# Altium PCB cyber60-smk-B2.PcbDoc (part 2 of 4)
Units mm, origin at the board's own origin, x right, y up, seen from the top; angles counter-clockwise.
Board outline 284.7 x 94.21 mm, 2 copper layers (Component Side, Bottom Layer), stack 1.571 mm thick; 221 components, 135 nets, 913 pads, 306 vias.
Unrouted connection lines stored in the file: 51.
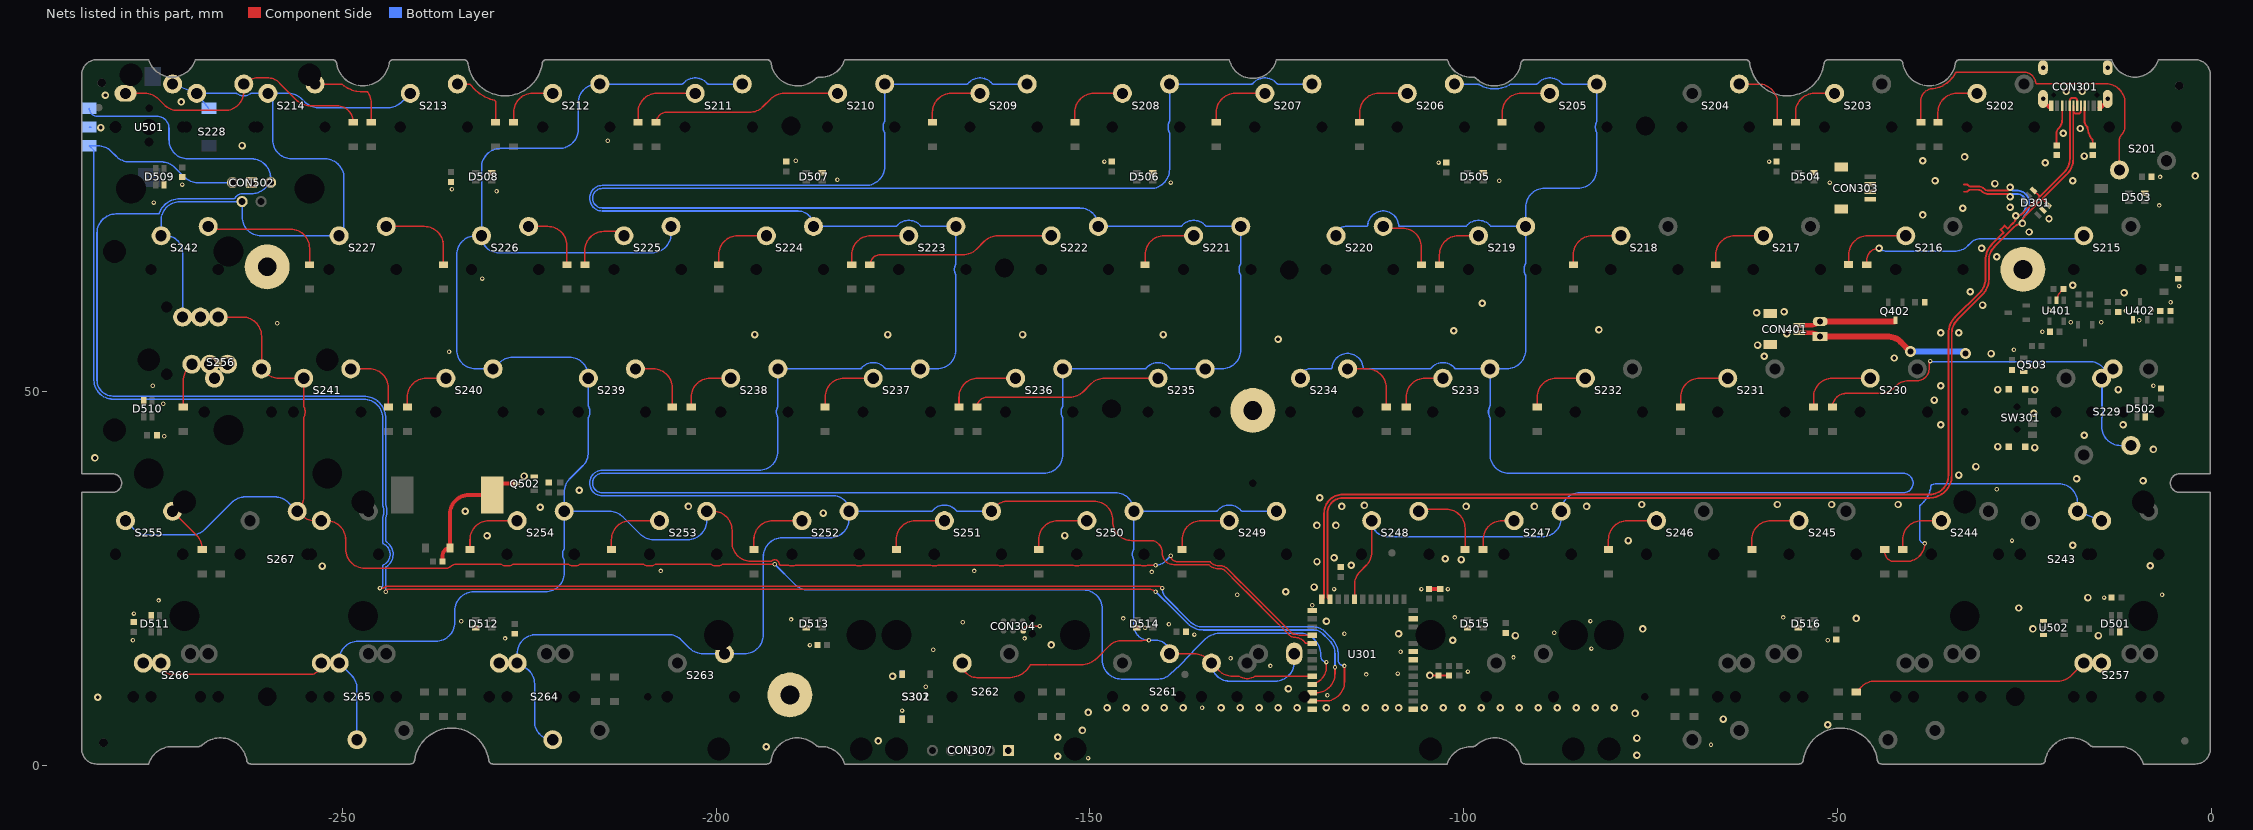
[diagram p2: the nets of this part, all layers, seen from the top]

## Via types
v1: diameter 1, hole 0.5, Component Side to Bottom Layer, tented both sides, 161 vias
v2: diameter 0.6, hole 0.3, Component Side to Bottom Layer, tented both sides, 139 vias
v3: diameter 1.5, hole 0.8, Component Side to Bottom Layer, tented both sides, 4 vias
v4: diameter 1.5, hole 0.75, Component Side to Bottom Layer, tented both sides, 2 vias

## Nets (pads, with @x,y where several pads share a name; then routed paths per layer and width w, separated by ;. In a path a pad name is that pad's centre, name@x,y a point inside that pad or via, vN(x,y) a via of type N, cw(c..) or ccw(c..) an arc to the next point about the centre after c; other vN are vias at no path point) (continued)
col3: S205.2 S206.2 S219.2 S220.2 S233.2 S234.2 S247.2 S248.2 U301.20 | length 288.7
  Component Side w0.203: U301.20@-114.6,22.25 -114.602,23.875 cw(c-114,23.876) -114.602,23.879 -114.6,24.173 ccw(c-114.803,24.175) -114.6,24.175 cw(c-112.06,24.175) -113.856,25.971 -113.03,26.797 ccw(c-114.763,28.53) -112.312,28.53 S248.2@-112.312,32.765
  Bottom Layer w0.203: S234.2@-121.837,51.815 cw(c-120.587,51.815) -120.587,53.065 -117.808,53.065 ccw(c-117.808,53.268) -117.606,53.25 cw(c-115.538,53.065) -113.469,53.25 ccw(c-113.267,53.268) -113.267,53.065 -104.544,53.065 ccw(c-104.544,53.268) -104.387,53.139 cw(c-102.787,51.815) -101.188,53.139 ccw(c-101.031,53.268) -101.031,53.065 S233.2@-96.488,53.065 ; S220.2@-117.075,70.865 cw(c-115.825,70.865) -115.825,72.115 -113.046,72.115 ccw(c-113.046,72.318) -112.843,72.3 cw(c-110.775,72.115) -108.707,72.3 ccw(c-108.504,72.318) -108.504,72.115 -99.781,72.115 ccw(c-99.781,72.318) -99.625,72.189 cw(c-98.025,70.865) -96.425,72.189 ccw(c-96.269,72.318) -96.269,72.115 S219.2@-91.725,72.115 ; S248.2@-112.312,32.765 ccw(c-110.154,32.765) -110.154,30.607 -89.502,30.607 ccw(c-89.502,33.147) -86.962,33.147 S247.2@-86.962,34.015 ; S206.2@-101.25,90.297 S206.2@-101.25,91.165 -98.112,91.165 cw(c-98.112,90.962) -97.995,91.128 -97.949,91.096 ; -97.949,91.096 ccw(c-97.716,91.429) -97.903,91.068 -97.481,90.85 ccw(c-97.294,91.211) -97.431,90.828 -96.984,90.668 ccw(c-96.847,91.051) -96.932,90.653 -96.468,90.554 ccw(c-96.383,90.952) -96.414,90.546 -95.94,90.51 ccw(c-95.909,90.915) -95.886,90.51 -95.412,90.537 ccw(c-95.435,90.943) -95.358,90.544 -94.892,90.634 ccw(c-94.969,91.033) -94.84,90.647 -94.39,90.799 ccw(c-94.519,91.184) -94.339,90.82 -93.914,91.03 ccw(c-94.093,91.394) -93.867,91.057 -93.757,91.13 cw(c-93.643,90.962) -93.643,91.165 -91.567,91.165 -90.256,91.165 ccw(c-90.256,91.368) -90.1,91.239 cw(c-88.5,89.915) -86.9,91.239 ccw(c-86.744,91.368) -86.744,91.165 S205.2@-82.2,91.165 ; S247.2@-86.487,34.015 S247.2@-86.962,34.015 ; S233.2@-96.488,53.065 -94.265,53.065 ccw(c-94.265,55.605) -91.725,55.605 -91.725,65.537 ccw(c-91.928,65.538) -91.749,65.634 cw(c-90.375,66.365) -91.749,67.096 ccw(c-91.928,67.192) -91.725,67.193 S219.2@-91.725,72.115 ; S233.2@-96.488,53.065 -96.488,48.143 cw(c-96.691,48.142) -96.511,48.046 ccw(c-95.137,47.315) -96.511,46.584 cw(c-96.691,46.488) -96.488,46.487 -96.488,41.636 ccw(c-93.948,41.636) -93.948,39.096 -42.545,39.096 -41.212,39.096 cw(c-41.212,37.79) -41.212,36.484 -84.494,36.484 ccw(c-84.494,34.015) S247.2@-86.962,34.015 ; S219.2@-91.725,72.115 -91.725,74.676 cw(c-89.185,74.676) -89.185,77.216 -84.74,77.216 ccw(c-84.74,79.756) -82.2,79.756 -82.2,84.587 ccw(c-82.403,84.588) -82.224,84.684 cw(c-80.85,85.415) -82.224,86.146 ccw(c-82.403,86.242) -82.2,86.243 S205.2@-82.2,91.165 ; S205.2@-83.333,91.165 ccw(c-83.333,89.281) -83.334,91.165 S205.2@-83.333,91.165 ; S205.2@-83.333,91.165 S205.2@-82.2,91.165
col4: S207.2 S208.2 S221.2 S222.2 S235.2 S236.2 S249.2 S250.2 S261.1 S262.2 U301.33 | length 498.2
  Component Side w0.203: S262.2@-167.081,13.715 ccw(c-165.147,13.715) -165.147,11.781 -160.938,11.781 cw(c-160.937,11.578) -160.928,11.781 ccw(c-160.781,14.965) -158.582,12.657 ccw(c-160.781,14.965) -157.955,13.491 -155.702,13.491 ; -155.604,13.491 -151.217,13.491 ccw(c-151.217,16.586) -149.029,14.397 -147.306,16.119 cw(c-145.903,14.716) -145.903,16.7 -143.313,16.7 ccw(c-143.313,19.195) -142.775,16.759 cw(c-142.731,16.561) -142.73,16.764 v2(-142.113,16.764) ; S261.1@-139.35,14.965 -136.045,14.965 cw(c-136.045,12.425) -134.249,14.221 S261.1@-133.743,13.715 -132.722,12.694 ccw(c-130.926,14.49) -130.926,11.95 -130.124,11.95 cw(c-130.123,11.747) -130.021,11.922 ccw(c-128.973,13.715) -127.926,11.922 cw(c-127.823,11.747) -127.822,11.95 U301.33@-120.25,11.95
  Bottom Layer w0.203: S261.1@-139.35,14.965 ccw(c-141.148,14.965) -141.148,16.764 v2(-142.113,16.764) cw(c-142.113,18.763) -144.112,18.763 -144.112,27.437 ccw(c-144.315,27.438) -144.136,27.534 cw(c-142.762,28.265) -144.136,28.996 ccw(c-144.315,29.092) -144.112,29.093 -144.112,33.434 cw(c-143.891,33.434) -143.891,33.655 -143.891,33.794 ccw(c-144.112,33.794) S250.2@-144.112,34.015 ; S261.1@-133.743,13.715 ccw(c-131.331,13.715) -131.331,11.303 -125.213,11.303 ccw(c-125.213,13.843) -122.673,13.843 S261.1@-122.673,14.965 ; S249.2@-125.062,34.015 -129.606,34.015 cw(c-129.606,34.218) -129.762,34.089 ccw(c-131.362,32.765) -132.962,34.089 cw(c-133.119,34.218) -133.119,34.015 S250.2@-144.112,34.015 ; S207.2@-120.3,91.165 -124.844,91.165 cw(c-124.844,91.368) -125,91.239 ccw(c-126.6,89.915) -128.2,91.239 cw(c-128.356,91.368) -128.356,91.165 S208.2@-139.35,91.165 -139.35,86.243 cw(c-139.553,86.242) -139.374,86.146 ccw(c-138,85.415) -139.374,84.684 cw(c-139.553,84.588) -139.35,84.587 -139.35,79.736 cw(c-141.89,79.736) -141.89,77.196 -215.212,77.196 ccw(c-215.212,75.89) -215.212,74.584 -151.344,74.584 cw(c-151.344,72.115) S222.2@-148.875,72.115 -137.881,72.115 ccw(c-137.881,72.318) -137.725,72.189 cw(c-136.125,70.865) -134.525,72.189 ccw(c-134.369,72.318) -134.369,72.115 S221.2@-129.825,72.115 -129.825,67.193 cw(c-130.028,67.192) -129.849,67.096 ccw(c-128.475,66.365) -129.849,65.634 cw(c-130.028,65.538) -129.825,65.537 -129.825,55.605 cw(c-132.365,55.605) -132.365,53.065 S235.2@-134.588,53.065 -139.131,53.065 cw(c-139.131,53.268) -139.288,53.139 ccw(c-140.887,51.815) -142.487,53.139 cw(c-142.644,53.268) -142.644,53.065 -153.404,53.065 ccw(c-153.404,52.832) -153.638,52.832 -153.638,48.143 cw(c-153.841,48.142) -153.661,48.046 ccw(c-152.287,47.315) -153.661,46.584 cw(c-153.841,46.488) -153.638,46.487 -153.638,41.636 cw(c-156.178,41.636) -156.178,39.096 -215.212,39.096 ccw(c-215.212,37.79) -215.212,36.484 -146.581,36.484 cw(c-146.581,34.015) S250.2@-144.112,34.015
col5: S209.2 S210.2 S223.2 S224.2 S237.2 S238.2 S251.2 S252.2 S263.2 S264.2 U301.29 | length 390.6
  Component Side w0.203: S251.2@-163.154,34.172 -162.694,34.632 cw(c-160.898,32.836) -160.898,35.376 -149.479,35.376 cw(c-149.479,32.836) -146.939,32.836 -146.939,32.639 ccw(c-144.399,32.639) -144.399,30.099 -141.907,30.099 cw(c-141.907,28.527) -140.335,28.527 -140.335,28.424 ccw(c-138.802,28.424) -138.802,26.891 -134.194,26.891 cw(c-134.193,26.688) -134.054,26.836 ccw(c-132.712,28.265) -132.539,26.313 ccw(c-132.578,26.918) -132.499,26.317 cw(c-132.473,26.115) -132.495,26.317 cw(c-132.495,25.533) -131.942,26.089 cw(c-132.495,25.533) -131.941,26.088 -130.016,24.162 ; -130.015,24.161 -128.428,22.575 -125.538,19.685 -123.856,18.003 -123.265,17.412 ccw(c-122.682,17.993) -122.788,17.177 ccw(c-122.682,17.993) -122.683,17.17 cw(c-122.673,15.365) -122.112,17.08 ; -122.102,17.077 cw(c-122.673,15.365) -121.218,16.433 ccw(c-121.055,16.553) -121.055,16.35 U301.29@-120.25,16.35
  Bottom Layer w0.203: S264.2@-221.849,3.465 cw(c-221.849,5.898) -224.282,5.898 -224.282,10.922 ccw(c-226.822,10.922) -226.822,13.462 -226.822,13.505 cw(c-226.612,13.505) S264.2@-226.612,13.715 -226.612,14.986 cw(c-224.072,14.986) -224.072,17.526 -206.411,17.526 cw(c-206.411,14.986) -204.615,16.782 -203.542,15.709 ccw(c-201.746,17.505) -201.746,14.965 S263.2@-198.881,14.965 -196.215,14.965 ccw(c-196.215,17.505) -193.675,17.505 -193.675,27.94 cw(c-191.135,27.94) -191.135,30.48 -184.752,30.48 ccw(c-184.752,33.02) -182.212,33.02 S252.2@-182.212,34.015 ; S251.2@-163.162,34.015 -167.706,34.015 cw(c-167.706,34.218) -167.862,34.089 ccw(c-169.462,32.765) -171.062,34.089 cw(c-171.219,34.218) -171.219,34.015 S252.2@-182.212,34.015 ; S209.2@-158.4,91.165 -162.944,91.165 cw(c-162.944,91.368) -163.1,91.239 ccw(c-164.7,89.915) -166.3,91.239 cw(c-166.456,91.368) -166.456,91.165 -176.911,91.165 ccw(c-175.61,89.864) -177.45,89.864 -177.45,86.243 cw(c-177.653,86.242) -177.474,86.146 ccw(c-176.1,85.415) -177.474,84.684 cw(c-177.653,84.588) -177.45,84.587 -177.45,80.14 cw(c-179.99,80.14) -179.99,77.6 -215.212,77.6 ccw(c-215.212,75.89) -215.212,74.18 -189.04,74.18 cw(c-189.04,72.115) S224.2@-186.975,72.115 -175.981,72.115 ccw(c-175.981,72.318) -175.825,72.189 cw(c-174.225,70.865) -172.625,72.189 ccw(c-172.469,72.318) -172.469,72.115 S223.2@-167.925,72.115 -167.925,67.193 cw(c-168.128,67.192) -167.949,67.096 ccw(c-166.575,66.365) -167.949,65.634 cw(c-168.128,65.538) -167.925,65.537 -167.925,55.605 cw(c-170.465,55.605) -170.465,53.065 S237.2@-172.688,53.065 -177.231,53.065 cw(c-177.231,53.268) -177.388,53.139 ccw(c-178.987,51.815) -180.587,53.139 cw(c-180.744,53.268) -180.744,53.065 S238.2@-191.738,53.065 -191.738,48.143 cw(c-191.941,48.142) -191.761,48.046 ccw(c-190.387,47.315) -191.761,46.584 cw(c-191.941,46.488) -191.738,46.487 -191.738,42.04 cw(c-194.278,42.04) -194.278,39.5 -215.212,39.5 ccw(c-215.212,37.79) -215.212,36.08 -184.277,36.08 cw(c-184.277,34.015) S252.2@-182.212,34.015
col6: S211.2 S212.2 S225.2 S226.2 S239.2 S240.2 S253.2 S254.2 S265.2 S266.2 U301.28 | length 333.2
  Component Side w0.203: S266.2@-274.237,13.715 ccw(c-272.714,13.715) -272.714,12.192 -254.323,12.192 ccw(c-254.323,13.715) S265.2@-252.8,13.715 ; S253.2@-201.262,34.015 -200.406,34.015 cw(c-200.406,31.475) -197.866,31.475 -197.866,29.871 ccw(c-195.326,29.871) -195.326,27.331 -194.564,27.331 -192.679,27.331 ccw(c-192.679,27.534) -192.546,27.381 cw(c-192.15,26.927) -191.551,26.974 ccw(c-192.15,26.927) -191.648,27.258 ; -191.55,26.973 ccw(c-191.348,26.99) -191.382,26.79 -190.391,26.79 cw(c-190.39,26.587) -190.329,26.78 ccw(c-189.862,28.265) -189.395,26.78 cw(c-189.334,26.587) -189.333,26.79 -181.389,26.79 cw(c-181.39,26.587) -181.329,26.78 ccw(c-180.862,28.265) -180.395,26.78 cw(c-180.334,26.587) -180.333,26.79 -171.34,26.79 cw(c-171.341,26.587) -171.28,26.78 ccw(c-170.812,28.265) -170.345,26.78 cw(c-170.284,26.587) -170.283,26.79 -162.342,26.79 cw(c-162.341,26.587) -162.34,26.79 cw(c-162.341,26.587) -162.28,26.78 ccw(c-161.812,28.265) -161.345,26.78 cw(c-161.284,26.587) -161.283,26.79 -156.718,26.79 -152.292,26.79 cw(c-152.291,26.587) -152.23,26.78 ccw(c-151.762,28.265) -151.295,26.78 cw(c-151.234,26.587) -151.233,26.79 -143.292,26.79 cw(c-143.291,26.587) -143.29,26.79 cw(c-143.291,26.587) -143.23,26.78 ccw(c-142.762,28.265) -142.295,26.78 cw(c-142.234,26.587) -142.233,26.79 v2@-141.47,26.79 ; v2(-139.192,28.067) ccw(c-138.42,28.067) -138.42,27.295 -134.024,27.295 cw(c-134.023,27.091) -133.872,27.227 ccw(c-132.712,28.265) -133.374,26.856 ccw(c-132.712,28.265) -132.569,26.715 ccw(c-132.578,26.918) -132.547,26.717 ccw(c-132.567,26.92) -132.543,26.718 ; -132.542,26.718 cw(c-132.495,26.317) -132.538,26.718 cw(c-132.495,26.317) -132.493,26.721 cw(c-132.495,25.533) -131.778,26.479 ccw(c-131.655,26.641) -131.739,26.456 -129.747,24.464 -129.73,24.447 -126.555,21.273 -124.46,19.177 -123.477,18.194 ccw(c-123.332,18.336) -123.476,18.193 -122.981,17.698 -122.978,17.695 ccw(c-122.682,17.993) -122.684,17.573 cw(c-122.673,15.365) -121.986,17.463 cw(c-122.112,17.08) -121.981,17.462 cw(c-122.102,17.077) -121.976,17.46 ccw(c-121.913,17.653) -121.913,17.45 -121.681,17.45 U301.28@-120.75,17.45
  Bottom Layer w0.203: S265.2@-248.038,3.465 -248.038,10.282 ccw(c-250.578,10.282) -248.782,12.078 S265.2@-250.419,13.715 -250.419,14.097 cw(c-247.879,14.097) -247.879,16.637 -237.49,16.637 ccw(c-237.49,19.177) -234.95,19.177 -234.95,20.701 cw(c-232.41,20.701) -232.41,23.241 -222.852,23.241 ccw(c-222.852,25.781) -220.962,24.084 ccw(c-222.852,25.781) -220.312,25.781 -220.312,27.437 ccw(c-220.515,27.438) -220.336,27.534 cw(c-218.962,28.265) -220.336,28.996 ccw(c-220.515,29.092) -220.312,29.093 S254.2@-220.312,34.015 ; S212.2@-215.901,91.165 ccw(c-215.9,88.625) -218.44,88.625 -218.44,85.09 cw(c-220.98,85.09) -220.98,82.55 -228.835,82.55 ccw(c-228.835,80.01) -231.375,80.01 S226.2@-231.375,70.865 ; S212.2@-215.9,91.165 S212.2@-215.55,91.165 -204.556,91.165 ccw(c-204.556,91.368) -204.4,91.239 cw(c-202.8,89.915) -201.2,91.239 ccw(c-201.044,91.368) -201.044,91.165 S211.2@-196.5,91.165 ; S225.2@-206.025,72.115 -206.025,71.12 cw(c-208.565,71.12) -206.888,69.212 cw(c-208.565,71.12) -208.565,68.58 -229.09,68.58 cw(c-229.09,70.865) -230.894,69.463 cw(c-229.09,70.865) S226.2@-231.375,70.865 ; S253.2@-201.262,34.015 -201.262,32.766 cw(c-203.802,32.766) -203.802,30.226 -208.371,30.226 cw(c-208.371,32.766) -210.167,30.97 -212.468,33.271 ccw(c-214.264,31.475) -214.264,34.015 S254.2@-220.312,34.015 ; v2(-141.224,26.797) ccw(c-141.224,28.637) -139.954,27.306 ccw(c-141.224,28.637) -139.923,27.336 v2(-139.192,28.067) ; S226.2@-231.375,70.865 -232.156,70.865 ccw(c-232.156,68.325) -234.696,68.325 -234.696,55.605 ccw(c-232.156,55.605) -232.156,53.065 S240.2@-229.838,53.065 -229.036,53.866 cw(c-227.24,52.07) -227.24,54.61 -219.627,54.61 cw(c-219.627,52.07) -217.087,52.07 S239.2@-217.087,51.815 -217.088,48.142 ccw(c-216.884,48.142) -217.064,48.046 cw(c-218.438,47.315) -217.064,46.584 ccw(c-216.884,46.488) -217.088,46.488 -217.087,41.902 cw(c-219.627,41.902) -217.831,40.106 -219.568,38.369 ccw(c-217.772,36.573) -220.312,36.573 S254.2@-220.312,34.015
col7: CON501.2 S213.2 S214.2 S227.2 S228.1 S241.2 S242.2 S255.2 S256.1 S267.2 U301.34 U501.2 | length 331.3
  Component Side w0.203: S256.1@-266.599,59.995 -263.34,59.995 cw(c-263.34,57.455) -260.8,57.455 S256.1@-260.8,53.065 -260.294,52.559 ccw(c-258.498,54.355) -258.498,51.815 S241.2@-255.162,51.815 -255.162,48.142 ccw(c-254.959,48.142) -255.138,48.046 cw(c-256.512,47.315) -255.138,46.584 ccw(c-254.959,46.488) -255.162,46.488 -255.162,35.935 cw(c-257.702,35.935) -255.906,34.139 S267.2@-256.03,34.015 -255.524,33.509 ccw(c-253.728,35.305) -253.728,32.765 S267.2@-252.805,32.765 -252.095,32.765 cw(c-252.095,30.225) -249.555,30.225 -249.555,28.956 ccw(c-247.015,28.956) -247.015,26.416 -236.071,26.416 ccw(c-236.071,27.283) -235.458,26.67 cw(c-234.837,26.049) -234.837,26.927 -228.813,26.927 cw(c-228.812,26.724) -228.714,26.902 ccw(c-227.962,28.265) -227.211,26.902 cw(c-227.113,26.724) -227.113,26.927 -219.812,26.927 cw(c-219.812,26.724) -219.714,26.902 ccw(c-218.962,28.265) -218.211,26.902 cw(c-218.113,26.724) -218.113,26.927 -209.762,26.927 cw(c-209.762,26.724) -209.664,26.902 ccw(c-208.912,28.265) -208.161,26.902 cw(c-208.063,26.724) -208.063,26.927 -200.762,26.927 cw(c-200.762,26.724) -200.664,26.902 ccw(c-199.912,28.265) -199.161,26.902 cw(c-199.063,26.724) -199.061,26.927 v2(-192.15,26.927) ; U301.34@-120.75,10.85 ccw(c-120.75,13.236) -118.872,11.764 ccw(c-120.75,13.236) -118.364,13.236 v2(-118.364,13.843)
  Bottom Layer w0.203: S255.2@-279,32.765 -277.84,31.605 ccw(c-276.044,33.401) -276.044,30.861 -270.165,30.861 ccw(c-270.165,33.401) -268.369,31.605 -264.777,35.197 cw(c-262.981,33.401) -262.981,35.941 -259.008,35.941 cw(c-259.008,33.401) -257.212,35.197 S267.2@-256.03,34.015 ; S242.2@-274.237,70.865 -274.237,72.898 cw(c-271.697,72.898) -271.697,75.438 CON501.2@-263.398,75.438 -263.398,73.405 ccw(c-260.858,73.405) -260.858,70.865 -249.775,70.865 -249.775,78.613 ccw(c-252.315,78.613) -252.315,81.153 -256.76,81.153 cw(c-256.76,83.693) -259.3,83.693 S214.2@-259.3,89.915 ; S242.2@-273.587,70.865 cw(c-273.587,68.639) -271.361,68.639 S256.1@-271.361,59.345 ; S228.1@-272.694,91.165 S228.1@-269.469,89.915 ; U501.2@-267.844,87.915 S228.1@-269.469,89.915 ; S213.2@-240.9,89.915 -242.06,88.755 cw(c-243.856,90.551) -243.856,88.011 -253.202,88.011 cw(c-253.202,90.551) -254.998,88.755 -255.414,89.171 ccw(c-257.21,87.375) -257.21,89.915 S214.2@-259.3,89.915 ; v2(-192.15,26.927) -189.462,24.239 ccw(c-187.666,26.035) -187.666,23.495 -150.876,23.495 cw(c-150.876,20.955) -148.336,20.955 -148.336,14.119 ccw(c-145.796,14.119) -145.796,11.579 -140.814,11.579 ccw(c-140.814,13.716) -139.303,12.206 cw(c-139.018,11.92) -139.288,12.219 -137.956,13.426 ccw(c-139.35,14.965) -137.838,13.541 -135.698,15.81 -134.752,16.757 cw(c-132.387,14.389) -132.387,17.736 -122.047,17.736 cw(c-122.047,14.792) -119.472,16.219 cw(c-122.047,14.792) -119.104,14.792 -119.104,14.605 ccw(c-117.361,14.605) -119.103,14.541 ccw(c-118.364,14.583) v2(-118.364,13.843) ; S228.1@-269.469,89.915 -264.189,89.915 cw(c-264.188,89.712) -264.071,89.878 ccw(c-263.169,91.165) -262.267,89.878 cw(c-262.15,89.712) -262.149,89.915 S214.2@-259.95,89.915 S214.2@-259.3,89.915
D_N: CON301.A7 CON301.B7 CON303.2 D301.3 U301.23 | length 171.2
  Component Side w0.254: U301.23@-117.9,22.25 cw(c-117.9,22.571) -118.221,22.571 -118.221,33.774 cw(c-116.181,33.774) -116.181,35.814 -37.719,35.814 ccw(c-37.719,38.811) -34.722,38.811 -34.722,57.825 cw(c-32.182,57.825) -33.978,59.621 -30.646,62.953 ccw(c-32.763,65.07) -29.769,65.07 -29.769,67.593 cw(c-27.229,67.593) -29.025,69.389 -26.337,72.076 cw(c-25.273,71.012) v1(-25.273,72.517) -25.273,72.765 cw(c-24.366,72.765) -25.008,73.405 ; -33.125,77.75 -32.842,77.75 cw(c-32.842,77.287) -32.514,77.614 -32.464,77.564 ccw(c-32.258,77.77) -32.258,77.479 -31.182,77.479 cw(c-31.182,76.39) -30.412,77.16 -30.411,77.158 ccw(c-29.818,77.751) -29.818,76.913 -27.354,76.913 ccw(c-27.354,77.343) v1(-26.924,77.343) ; -25.007,73.406 -22.6,75.813 ; D301.3@-21.975,75.134 -22.562,75.722 cw(c-22.471,75.813) -22.6,75.813 ; CON301.B7@-17.473,88.25 -17.473,87.525 cw(c-17.8,87.525) -17.8,87.198 -18.1,87.198 cw(c-18.1,87.525) -18.427,87.525 -18.427,88.144 ccw(c-18.681,88.144) CON301.A7@-18.45,88.25 ccw(c-18.45,88.229) -18.471,88.229 -18.471,81.182 cw(c-21.466,81.182) -19.347,79.066 cw(c-21.466,81.182) -19.348,79.065 -22.6,75.813
  Bottom Layer w0.254: v1(-26.924,77.343) ccw(c-26.518,77.343) -26.518,76.937 -26.06,76.937 cw(c-26.06,75.184) -24.308,75.184 cw(c-26.605,75.184) -24.981,73.56 ccw(c-24.274,72.854) -25.273,72.854 v1(-25.273,72.517)
D_P: CON301.A6 CON301.B6 CON303.3 D301.4 U301.24 | length 170.9
  Component Side w0.254: U301.24@-119,22.25 ccw(c-119,22.571) -118.679,22.571 -118.679,33.774 cw(c-116.181,33.774) -116.181,36.271 -37.719,36.271 ccw(c-37.719,38.811) -35.179,38.811 -35.179,57.826 cw(c-32.185,57.826) -35.179,57.83 cw(c-32.185,57.826) -34.302,59.944 -30.97,63.276 ccw(c-32.766,65.072) -30.226,65.072 -30.226,67.594 cw(c-27.232,67.594) -29.35,69.71 cw(c-27.232,67.594) -29.349,69.711 -27.877,71.183 -27.787,71.273 -28.199,71.685 -27.66,72.224 -27.248,71.812 -26.607,72.453 -26.479,72.581 ; -33.125,76.75 -32.842,76.75 ccw(c-32.842,77.213) -32.514,76.886 -32.464,76.936 cw(c-32.258,76.73) -32.258,77.021 -31.184,77.021 cw(c-31.184,76.385) -30.734,76.835 ccw(c-29.818,77.749) -29.818,76.455 -27.306,76.455 cw(c-27.306,76.073) v1(-26.924,76.073) ; -26.482,72.583 ccw(c-27.254,73.355) -26.162,73.355 v1(-26.162,73.533) ccw(c-26.162,75.066) -25.078,73.982 -22.987,76.073 ; D301.4@-23.672,76.831 -23.039,76.198 cw(c-23.164,76.073) -22.987,76.073 ; CON301.B6@-18.95,88.25 ccw(c-19.181,88.356) -18.927,88.357 -18.927,88.975 cw(c-18.6,88.975) -18.6,89.302 -18.3,89.302 cw(c-18.3,88.975) -17.973,88.975 -17.973,88.356 ccw(c-17.719,88.356) CON301.A6@-17.95,88.25 ; CON301.B6@-18.929,87.948 -18.929,81.184 cw(c-21.469,81.184) -19.673,79.387 -22.987,76.073
  Bottom Layer w0.254: v1(-26.924,76.073) cw(c-26.518,76.073) -26.518,76.479 -26.06,76.479 cw(c-26.06,75.184) -24.765,75.184 cw(c-26.605,75.184) -25.304,73.883 -25.4,73.787 cw(c-26.013,74.4) -26.013,73.533 v1(-26.162,73.533)
ENC_A: CON502.3 U301.36 U501.A | length 260.6
  Component Side w0.203: v2(-244.961,23.749) -244.576,23.749 ccw(c-244.576,23.952) -244.481,23.773 cw(c-244.199,23.241) -244.361,23.82 ccw(c-244.415,24.016) -244.294,23.853 cw(c-243.84,23.241) -243.84,24.003 -140.948,24.003 cw(c-140.948,23.136) v2(-140.335,23.749) ; U301.36@-120.25,8.65 -118.491,8.65 ccw(c-118.491,11.19) -115.951,11.19 v2(-115.951,13.335)
  Bottom Layer w0.203: CON502.3@-264.668,78.207 CON502.3@-264.668,77.978 -269.331,77.978 cw(c-269.331,80.518) -271.127,78.722 -272.408,80.003 ccw(c-274.204,78.207) -274.204,80.747 -278.444,80.747 cw(c-278.444,83.287) -280.24,81.491 -280.92,82.171 ccw(c-282.716,80.375) -282.716,82.915 U501.A@-283.844,82.915 -283.21,82.281 -283.21,52.832 -283.21,52.324 -283.21,51.562 ccw(c-280.67,51.562) -280.67,49.022 -247.142,49.022 cw(c-247.142,46.482) -244.602,46.482 -244.602,34.887 ccw(c-244.399,34.887) -244.587,34.809 cw(c-246.505,34.015) -244.587,33.221 ccw(c-244.399,33.143) -244.602,33.143 -244.602,29.854 ccw(c-244.399,29.854) -244.486,29.67 cw(c-245.155,28.265) -244.486,26.86 ccw(c-244.399,26.676) -244.602,26.676 -244.602,24.108 cw(c-244.961,24.108) v2(-244.961,23.749) ; v2(-140.335,23.749) ccw(c-138.495,23.749) -139.796,22.448 -136.634,19.286 ccw(c-134.838,21.082) -134.838,18.542 -120.073,18.542 cw(c-120.073,16.405) -118.65,17.999 cw(c-120.073,16.405) -118.561,17.915 -117.689,17.043 -117.679,17.033 cw(c-119.761,14.952) -116.833,15.254 ; -116.818,15.254 -116.818,14.202 ccw(c-115.951,14.202) v2(-115.951,13.335)
ENC_B: CON502.1 U301.35 U501.B | length 280.4
  Component Side w0.203: v2(-244.199,23.241) cw(c-243.84,23.241) -243.84,23.6 -142.083,23.6 cw(c-142.083,22.375) v2(-141.216,23.241) ; U301.35@-120.25,9.75 -119.761,9.75 ccw(c-119.761,12.29) -117.221,12.29 v2(-117.221,13.17)
  Bottom Layer w0.203: U501.B@-283.844,87.915 ccw(c-282.797,87.915) -282.797,86.868 -274.828,86.868 cw(c-274.828,85.217) -273.177,85.217 -273.177,83.69 ccw(c-270.637,83.69) -272.89,82.517 ccw(c-270.637,83.69) -270.637,81.15 -262.128,81.15 cw(c-262.128,78.61) -259.588,78.61 CON502.1@-259.588,77.978 -260.309,77.257 cw(c-262.105,79.053) -261.521,76.581 cw(c-262.105,79.053) -262.105,76.513 -263.333,76.513 cw(c-263.428,76.692) -263.423,76.489 ccw(c-263.398,75.438) -264.319,75.946 cw(c-264.497,76.044) -264.497,75.841 -269.367,75.841 -271.697,75.841 ccw(c-271.697,72.898) -273.822,74.935 ccw(c-271.697,72.898) -274.457,73.921 cw(c-274.648,73.992) -274.635,73.789 cw(c-274.701,74.803) -274.701,73.787 -280.267,73.787 ccw(c-280.267,71.247) -282.807,71.247 -282.807,69.596 -282.807,55.88 -282.807,51.562 ccw(c-280.67,51.562) -282.236,50.108 ccw(c-280.67,51.562) -280.67,49.425 -247.142,49.425 cw(c-247.142,46.482) -245.509,48.931 ; -245.509,48.931 cw(c-247.142,46.482) -244.287,47.196 cw(c-247.142,46.482) -244.199,46.482 -244.199,34.964 ccw(c-243.996,34.964) -244.186,34.892 cw(c-246.505,34.015) -244.186,33.138 ccw(c-243.996,33.066) -244.199,33.066 -244.199,30.148 ccw(c-243.996,30.148) -244.155,30.022 ccw(c-242.545,31.302) -243.999,29.848 cw(c-245.155,28.265) -244.105,26.611 ; v2(-244.199,23.241) -244.199,24.08 cw(c-243.996,24.08) -244.199,24.086 ccw(c-244.961,24.108) -244.199,24.108 -244.199,26.439 cw(c-243.996,26.439) -244.105,26.611 ; v2(-141.216,23.241) cw(c-141.216,23.103) -141.119,23.201 -138.525,20.606 -136.915,18.997 ccw(c-134.838,21.082) -134.838,18.139 -120.073,18.139 cw(c-120.073,16.405) -118.847,17.631 -118.077,16.861 -117.965,16.748 cw(c-119.761,14.952) -117.964,16.747 cw(c-119.761,14.952) -117.221,14.952 v2(-117.221,13.17)
GND: C301.1 C302.1 C303.1 C307.1 C402.1 C403.1 C404.1 C406.1 C501.1 C502.1 C503.1 C504.1 C505.1 C506.1 C507.1 C508.1 C509.1 C510.1 C511.1 C512.1 C513.1 C514.1 C515.1 C516.1 CON301.A1B12 CON301.B1A12 CON301.S1 CON303.4 CON303.5 CON304.5 CON307.1 CON401.2 CON401.3 CON402.2 CON502.2 D301.2 D501.3 D502.3 D503.3 D504.3 D505.3 D506.3 D507.3 D508.3 D509.3 D510.3 D511.3 D512.3 D513.3 D514.3 D515.3 D516.3 pad.@-25.2,66.365 pad.@-128.212,47.5 pad.@-190.119,9.45 pad.@-260.05,66.715 Q502.2 Q503.2 R301.2 R302.2 R307.2 R402.2 R403.2 R404.2 R511.2 R515.2 S301.1 S302.2 SW301.M U301.1 U301.25 U301.37 U401.2 U402.1 U501.C U502.1 U502.3 | length 35
  Component Side w0.203: CON304.5@-158.924,18.034 cw(c-158.289,18.034) -158.289,18.669 v2(-156.718,18.669) ; U401.2@-20.701,62.216 -20.614,62.303 cw(c-19.084,62.303) -20.528,62.811 cw(c-19.084,62.303) -20.318,63.208 cw(c-19.084,62.303) -20.166,63.385 C406.1@-19.797,63.754
  Component Side w0.254: v1(-104.521,12.065) -101.996,12.065 R307.2@-101.981,12.05
  Component Side w0.508: C301.1@-104.648,23.637 C302.1@-103.124,23.637 ; CON301.S1@-22.52,88.915 -21.715,88.11 ccw(c-21.45,88.374) CON301.B1A12@-21.45,88 ; CON301.A1B12@-14.95,88 ccw(c-14.95,88.374) -14.685,88.11 CON301.S1@-13.88,88.915
  Component Side w0.6: CON401.2@-55.118,57.896 -53.512,57.896 cw(c-53.512,56.216) CON402.2@-52.324,57.404
  Component Side w0.8: CON402.2@-52.324,57.404 -43.343,57.404 cw(c-43.343,54.864) -41.547,56.66 v3(-40.259,55.372)
  Bottom Layer w0.203: U501.C@-283.844,85.415 U501.C@-283.594,85.415 ; CON502.2@-262.128,77.978 CON502.2@-262.128,78.156
  Bottom Layer w0.8: v3(-40.259,55.372) -33.147,55.372 v3(-32.893,55.118)
  other v1: -154.305,1.27 -76.835,1.397 -193.3,2.539 -178.308,3.302 -76.835,3.683 -154.305,3.81 -151,4.7 -51.308,5.461 -65.278,6.223 -77.089,6.985 -150.241,7.112 -147.701,7.747 -145.161,7.747 -142.621,7.747 -140.081,7.747 -137.541,7.747 -132.461,7.747 -129.921,7.747 -127.381,7.747 -124.841,7.747 -122.301,7.747 -118.364,7.747 -115.697,7.747 -113.157,7.747 -110.49,7.747 -108.712,7.747 -105.283,7.747 -102.743,7.747 -100.203,7.747 -97.663,7.747 -95.123,7.747 -92.583,7.747 -90.043,7.747 -87.503,7.747 -84.963,7.747 -82.423,7.747 -79.883,7.747 -282.708,9.143 -123.444,10.287 -176.403,11.938 -155.157,16.144 -101.473,16.764 -93.091,17.399 -15.113,17.399 -108.712,17.653 -76.073,18.288 -23.876,18.288 -118.364,19.304 -47.498,19.685 -25.781,21.082 -16.51,22.479 -123.825,23.241 -120.015,23.876 -252.683,26.691 -8.176,26.721 -115.062,26.797 -119.629,27.296 -100.33,27.559 -102.489,27.686 -117.348,27.813 -18.542,29.464 -77.983,30.108 -230.632,30.734 -153.379,30.771 -119.634,32.131 -117.094,32.131 -185.674,33.782 -233.553,34.036 -223.52,34.544 -203.708,34.671 -116.332,34.671 -99.695,34.671 -90.551,34.671 -83.566,34.671 -113.289,34.807 -76.2,34.925 -58.039,34.925 -50.8,34.925 -41.91,34.925 -119.253,35.814 -218.313,36.83 -9.144,38.1 -18.034,38.354 -225.679,38.735 -33.782,38.862 -31.496,40.005 -283.083,41.148 -7.747,42.291 -23.622,42.545 -28.575,42.672 -17.018,44.196 -36.195,45.593 -11.811,45.593 -23.749,47.117 -37.084,48.895 -28.575,50.292 -23.622,50.292 -12.446,50.292 -36.195,50.8 -42.406,54.519 -59.817,54.737 -29.464,55.118 -60.706,56.245 -124.841,57.023 -194.818,57.658 -177.038,57.658 -159.004,57.658 -140.208,57.658 -56.769,57.769 -36.195,57.912 -33.782,57.912 -101.346,58.166 -81.915,58.293 -60.833,60.563 -57.15,60.706 -30.607,61.595 -97.536,61.849 -11.684,63.246 -32.258,63.373 -18.542,64.262 -28.702,68.072 -30.734,69.215 -24.384,71.374 -21.722,73.161 -38.608,73.66 -33.274,74.549 -26.924,74.676 -28.956,77.851 -36.957,78.232 -18.542,78.232 -2.159,78.867 -22.225,80.645 -38.608,80.899 -33.02,81.407 -17.018,81.534 -263.398,82.931 -19.812,84.582 -17.526,85.217 -282.321,85.344 -271.526,88.773 -281.686,89.662 -19.431,90.17 -17.272,90.17
  other v2: -150.241,1.016 -66.929,2.794 -175.133,7.366 -135.001,7.747 -118.237,9.398 -171.958,10.541 -113.03,12.192 -108.839,12.319 -99.441,12.573 -125.857,13.335 -131.191,14.351 -93.345,14.478 -108.458,15.24 -170.942,15.494 -82.921,15.649 -187.452,16.129 -278.003,16.764 -51.308,16.764 -228.219,17.018 -158.75,17.018 -136.017,17.526 -115.951,17.653 -87.884,17.78 -142.621,18.415 -139.431,18.923 -167.005,19.177 -234.076,19.304 -83.048,19.332 -189.977,19.558 -145.542,19.685 -101.219,19.812 -57.277,19.812 -277.869,20.337 -120.269,21.463 -274.574,22.098 -14.351,22.479 -130.302,22.86 -6.604,22.86 -117.348,23.622 -105.664,23.622 -102.108,23.622 -141.732,25.908 -207.391,26.035 -165.481,26.035 -26.67,30.099 -28.702,36.957 -273.812,44.069 -273.939,48.387 -275.336,50.8 -7.747,50.8 -24.13,53.34 -235.712,55.372 -26.416,55.626 -22.606,58.039 -258.699,59.182 -18.796,59.309 -14.732,59.309 -9.652,59.563 -11.43,60.833 -8.001,60.96 -21.707,60.988 -5.461,61.976 -4.318,64.135 -231.267,65.151 -6.985,74.93 -275.209,75.311 -229.362,76.835 -235.331,77.089 -271.399,77.724 -139.192,77.978 -51.054,77.978 -95.265,78.232 -183.769,78.374 -6.858,78.74 -103.363,80.66 -148.067,80.787 -59.167,80.787 -189.357,80.899 -214.503,83.566
LED1: U301.12
LED2: U301.8
LED3: U301.7
NetBZ501_2: BZ501.2 D517.1 Q502.3 R509.2 | length 18.7
  Component Side w0.508: R509.2@-236.586,27.305 -236.586,28.098 cw(c-235.601,28.098) D517.1@-235.601,29.083 -235.601,33.655 cw(c-233.061,33.655) -233.061,36.195 BZ501.2@-229.966,36.195 -229.966,36.648 -229.966,37.719 Q502.3@-226.752,37.719
NetCON301_A5: CON301.A5 R302.1 | length 5.3
  Component Side w0.254: CON301.A5@-16.95,88 -16.977,86.25 ccw(c-15.9,86.233) -16.641,85.451 -16.638,85.449 cw(c-16.813,85.264) -16.56,85.292 ccw(c-13.462,85.634) -16.549,85.205 ccw(c-13.462,85.634) -16.549,85.203 ccw(c-13.462,85.634) -16.522,85.038 ccw(c-13.462,85.634) -16.342,84.441 ccw(c-13.462,85.634) -15.928,83.728 cw(c-16.129,83.572) -15.875,83.571 R302.1@-15.875,82.946
NetCON301_B5: CON301.B5 R301.1 | length 5.3
  Component Side w0.254: R301.1@-20.701,82.946 -20.701,84.582 -20.701,84.634 cw(c-19.917,84.634) -20.471,85.188 ccw(c-21.73,86.447) -19.95,86.447 CON301.B5@-19.95,88
NetCON401_1: CON401.1 CON402.1 Q402.3 | length 12.8
  Component Side w0.6: CON401.1@-55.118,58.896 -53.55,58.896 ccw(c-53.55,60.63) CON402.1@-52.324,59.404
  Component Side w0.8: CON402.1@-52.324,59.404 Q402.3@-42.418,59.404
NetD201_1: D201.1 S201.2 | length 43.4
  Component Side w0.203: D201.1@-38.862,86.05 -38.862,88.895 cw(c-37.202,88.895) -37.579,90.512 cw(c-37.534,90.314) -37.535,90.517 cw(c-37.534,90.314) -37.533,90.517 -37.503,90.517 ccw(c-37.503,90.924) -37.447,90.521 -37.202,90.556 -36.957,90.59 ccw(c-37.013,90.992) -36.901,90.602 -36.425,90.738 ccw(c-36.537,91.129) -36.372,90.757 -35.92,90.958 ccw(c-36.085,91.33) -35.87,90.985 -35.449,91.247 ccw(c-35.664,91.592) -35.404,91.28 -35.024,91.598 ccw(c-35.285,91.909) -34.983,91.637 -34.651,92.004 ccw(c-34.953,92.277) -34.616,92.049 -34.339,92.459 ccw(c-34.675,92.687) -34.31,92.508 -34.255,92.622 cw(c-34.072,92.532) -34.072,92.735 -25.116,92.735 ccw(c-25.116,92.939) -25.108,92.736 cw(c-25.05,91.165) -24.988,92.735 cw(c-25.05,91.165) -23.491,91.364 ccw(c-23.289,91.389) -23.289,91.186 -18.67,91.186 ; -18.669,91.186 -14.097,91.186 cw(c-14.097,88.646) -11.557,88.646 -11.557,85.554 cw(c-13.291,85.554) -12.065,84.328 ccw(c-11.498,83.761) -12.3,83.761 S201.2@-12.3,79.665
NetD202_1: D202.1 S202.1 | length 8.7
  Component Side w0.203: D202.1@-36.576,86.05 -36.576,87.375 cw(c-34.036,87.375) -34.036,89.915 S202.1@-30.7,89.915
NetD203_1: D203.1 S203.1 | length 8.7
  Component Side w0.203: D203.1@-55.626,86.05 -55.626,87.375 cw(c-53.086,87.375) -53.086,89.915 S203.1@-49.75,89.915
NetD204_1: D204.1 S204.1 | length 9.1
  Component Side w0.203: S204.1@-63.15,91.165 -60.579,91.165 cw(c-60.579,88.625) -58.039,88.625 D204.1@-58.039,86.05
NetD205_1: D205.1 S205.1 | length 9.8
  Component Side w0.203: D205.1@-94.869,86.05 -94.869,87.375 cw(c-92.329,87.375) -92.329,89.915 S205.1@-87.85,89.915
NetD206_1: D206.1 S206.1 | length 9.8
  Component Side w0.203: D206.1@-113.919,86.05 -113.919,87.375 cw(c-111.379,87.375) -111.379,89.915 S206.1@-106.9,89.915
NetD207_1: D207.1 S207.1 | length 9.9
  Component Side w0.203: D207.1@-133.096,86.05 -133.096,87.375 cw(c-130.556,87.375) -130.556,89.915 S207.1@-125.95,89.915
NetD208_1: D208.1 S208.1 | length 9.8
  Component Side w0.203: D208.1@-152.019,86.05 -152.019,87.375 cw(c-149.479,87.375) -149.479,89.915 S208.1@-145,89.915
NetD209_1: D209.1 S209.1 | length 9.8
  Component Side w0.203: D209.1@-171.069,86.05 -171.069,87.375 cw(c-168.529,87.375) -168.529,89.915 S209.1@-164.05,89.915
NetD210_1: D210.1 S210.1 | length 26.5
  Component Side w0.203: D210.1@-207.963,86.05 cw(c-206.637,86.05) -206.637,87.376 -195.553,87.376 ccw(c-195.553,89.916) -193.757,88.12 -192.705,89.171 cw(c-190.909,87.375) -190.909,89.915 S210.1@-183.1,89.915
NetD211_1: D211.1 S211.1 | length 11.2
  Component Side w0.203: D211.1@-210.439,85.963 D211.1@-210.439,86.05 -210.439,87.375 cw(c-207.899,87.375) -207.899,89.915 S211.1@-202.15,89.915
NetD212_1: D212.1 S212.1 | length 8.7
  Component Side w0.203: D212.1@-227.076,86.05 -227.076,87.375 cw(c-224.536,87.375) -224.536,89.915 S212.1@-221.2,89.915
NetD213_1: D213.1 S213.1 | length 8.7
  Component Side w0.203: S213.1@-234.6,91.165 -233.025,91.165 cw(c-233.024,90.962) -232.863,91.085 ccw(c-232.22,91.577) -232.828,91.043 -232.36,90.509 ccw(c-231.751,91.044) -232.278,90.429 -231.739,89.967 ccw(c-231.212,90.582) -231.647,89.899 -231.046,89.516 ccw(c-230.613,90.2) -230.946,89.463 -230.298,89.169 ccw(c-229.965,89.907) -230.193,89.131 -229.641,88.97 cw(c-229.697,88.774) -229.494,88.787 cw(c-232.029,88.625) -229.489,88.625 D213.1@-229.489,86.05
NetD214_1: D214.1 S214.1 | length 11.5
  Component Side w0.203: S214.1@-253.65,91.165 -250.161,91.165 cw(c-250.161,90.962) -250.03,91.117 -249.854,90.97 ccw(c-249.336,91.592) -249.764,90.905 -249.344,90.643 ccw(c-248.915,91.33) -249.244,90.59 -248.79,90.388 ccw(c-248.463,91.129) -248.686,90.35 -248.208,90.214 ccw(c-247.987,90.992) -248.099,90.191 -247.608,90.122 ccw(c-247.497,90.924) -247.497,90.114 -247.001,90.114 ccw(c-247.001,90.924) -246.89,90.122 -246.762,90.14 cw(c-246.733,89.939) -246.565,90.052 cw(c-248.666,88.625) -246.126,88.625 D214.1@-246.126,86.05
NetD215_1: D215.1 S215.2 | length 31.3
  Component Side w0.203: D215.1@-46.101,67 -46.101,67.564 cw(c-44.45,67.564) v1(-44.45,69.215)
  Bottom Layer w0.203: v1(-44.45,69.215) ccw(c-43.421,70.244) -43.421,68.789 -34.371,68.789 ccw(c-34.371,71.329) -32.575,69.533 -32.131,69.977 cw(c-30.905,68.751) -30.905,70.485 -17.98,70.485 ccw(c-17.98,71.782) S215.2@-17.062,70.865
NetD216_1: D216.1 S216.1 | length 11
  Component Side w0.203: D216.1@-48.514,67.04 -48.514,68.325 cw(c-45.974,68.325) -45.974,70.865 S216.1@-40.225,70.865
NetD217_1: D217.1 S217.1 | length 9.8
  Component Side w0.203: D217.1@-66.294,67 -66.294,68.325 cw(c-63.754,68.325) -63.754,70.865 S217.1@-59.275,70.865
NetD218_1: D218.1 S218.1 | length 9.8
  Component Side w0.203: D218.1@-85.344,67 -85.344,68.325 cw(c-82.804,68.325) -82.804,70.865 S218.1@-78.325,70.865
NetD219_1: D219.1 S219.1 | length 8.7
  Component Side w0.203: D219.1@-103.251,67 -103.251,68.325 cw(c-100.711,68.325) -100.711,70.865 S219.1@-97.375,70.865
NetD220_1: D220.1 S220.1 | length 9.7
  Component Side w0.203: S220.1@-111.125,71.882 -108.204,71.882 cw(c-108.204,69.342) -105.664,69.342 D220.1@-105.664,67
  Component Side w0.254: S220.1@-111.125,71.882 cw(c-110.892,71.882) -110.892,72.115 S220.1@-110.775,72.115
NetD221_1: D221.1 S221.1 | length 9.9
  Component Side w0.203: D221.1@-142.621,67 -142.621,68.325 cw(c-140.081,68.325) -140.081,70.865 S221.1@-135.475,70.865
NetD222_1: D222.1 S222.1 | length 26.5
  Component Side w0.203: D222.1@-179.387,67 cw(c-178.062,67) -178.062,68.326 -166.978,68.326 ccw(c-166.978,70.866) -165.182,69.07 -164.13,70.121 cw(c-162.334,68.325) -162.334,70.865 S222.1@-154.525,70.865
NetD223_1: D223.1 S223.1 | length 11.1
  Component Side w0.203: D223.1@-181.864,67 -181.864,68.325 cw(c-179.324,68.325) -179.324,70.865 S223.1@-173.575,70.865
NetD224_1: D224.1 S224.1 | length 9.8
  Component Side w0.203: D224.1@-199.644,67 -199.644,68.325 cw(c-197.104,68.325) -197.104,70.865 S224.1@-192.625,70.865
NetD225_1: D225.1 S225.1 | length 9.2
  Component Side w0.203: D225.1@-217.551,67 -217.551,68.905 cw(c-215.011,68.905) -215.011,71.445 S225.1@-211.715,71.445
NetD226_1: D226.1 S226.1 | length 9.1
  Component Side w0.203: S226.1@-225.075,72.115 -222.504,72.115 cw(c-222.504,69.575) -219.964,69.575 D226.1@-219.964,67
NetD227_1: D227.1 S227.1 | length 11.7
  Component Side w0.203: S227.1@-244.125,72.115 -239.014,72.115 cw(c-239.014,69.575) -236.474,69.575 D227.1@-236.474,67
NetD228_1: D228.1 S228.2 | length 36.5
  Component Side w0.203: S228.2@-278.994,89.915 -276.387,89.915 cw(c-276.387,87.375) -274.591,89.171 -273.794,88.374 ccw(c-271.998,90.17) -271.998,87.63 -265.709,87.63 ccw(c-265.709,90.17) -263.169,90.17 S228.2@-263.169,91.165 -263.089,91.245 cw(c-261.293,89.448) -261.293,91.988 -259.84,91.988 cw(c-259.95,89.915) -258.307,91.185 -256.131,89.009 ccw(c-254.335,90.805) -254.335,88.265 -250.754,88.265 cw(c-250.754,86.05) D228.1@-248.539,86.05
NetD229_1: D229.1 S229.2 | length 59
  Component Side w0.203: D229.1@-50.673,47.95 cw(c-48.839,47.95) -48.839,49.784 -44.232,49.784 ccw(c-44.232,52.324) -42.436,50.528 -42.164,50.8 cw(c-40.489,49.125) -40.489,51.494 -39.378,51.494 ccw(c-39.338,53.065) -38.582,51.687 ccw(c-39.338,53.065) -37.766,53.045 ccw(c-39.338,53.065) -37.766,53.085 -37.766,53.682 cw(c-37.172,53.682) v2(-37.592,54.102)
  Bottom Layer w0.203: v2(-37.592,54.102) ccw(c-37.539,54.102) -37.539,54.049 -34.29,54.049 -22.733,54.049 -16.334,54.049 cw(c-16.334,51.509) -13.794,51.509 S229.2@-13.794,51.315 ; -14.59,46.727 cw(c-16.031,47.315) -14.657,46.584 ccw(c-14.478,46.488) -14.681,46.488 -14.681,45.355 ccw(c-12.141,45.355) -12.141,42.815 S229.2@-10.763,42.815 ; -14.59,47.904 ccw(c-14.402,47.979) -14.59,47.902 ; -14.59,47.904 cw(c-14.402,47.979) -14.605,47.979 -14.605,51.739 ccw(c-14.681,51.739) S229.2@-14.681,51.815 -14.681,48.142 ccw(c-14.478,48.142) -14.657,48.046 cw(c-16.031,47.315) -14.59,47.904 ; -14.59,47.904 cw(c-16.031,47.315) -14.59,47.902 ; -14.59,47.902 cw(c-16.031,47.315) -14.59,46.728 ccw(c-16.031,47.315) -14.59,47.902
NetD230_1: D230.1 S230.1 | length 11
  Component Side w0.203: D230.1@-53.213,47.95 -53.213,49.275 cw(c-50.673,49.275) -50.673,51.815 S230.1@-44.987,51.815
NetD231_1: D231.1 S231.1 | length 9.7
  Component Side w0.203: D231.1@-70.993,47.95 -70.993,49.275 cw(c-68.453,49.275) -68.453,51.815 S231.1@-64.037,51.815
NetD232_1: D232.1 S232.1 | length 9.9
  Component Side w0.203: D232.1@-90.17,47.95 -90.17,49.275 cw(c-87.63,49.275) -87.63,51.815 S232.1@-83.087,51.815
NetD233_1: D233.1 S233.1 | length 8.3
  Component Side w0.203: D233.1@-107.696,47.95 -107.696,49.275 cw(c-105.156,49.275) -105.156,51.815 S233.1@-102.137,51.815
NetD234_1: D234.1 S234.1 | length 9.2
  Component Side w0.203: S234.1@-115.538,53.065 -112.903,53.065 cw(c-112.903,50.525) -110.363,50.525 D234.1@-110.363,47.95
NetD235_1: D235.1 S235.1 | length 26.5
  Component Side w0.203: D235.1@-165.1,47.95 cw(c-163.774,47.95) -163.774,49.276 -152.69,49.276 ccw(c-152.69,51.816) -150.894,50.02 -149.843,51.071 cw(c-148.047,49.275) -148.047,51.815 S235.1@-140.237,51.815
NetD236_1: D236.1 S236.1 | length 11
  Component Side w0.203: D236.1@-167.513,47.95 -167.513,49.275 cw(c-164.973,49.275) -164.973,51.815 S236.1@-159.287,51.815
NetD237_1: D237.1 S237.1 | length 9.9
  Component Side w0.203: D237.1@-185.42,47.95 -185.42,49.275 cw(c-182.88,49.275) -182.88,51.815 S237.1@-178.337,51.815
NetD238_1: D238.1 S238.1 | length 8.7
  Component Side w0.203: D238.1@-203.327,47.95 -203.327,49.275 cw(c-200.787,49.275) -200.787,51.815 S238.1@-197.387,51.815
NetD239_1: D239.1 S239.1 | length 8.9
  Component Side w0.203: S239.1@-210.788,53.065 -208.407,53.065 cw(c-208.407,50.525) -205.867,50.525 D239.1@-205.867,47.95
NetD240_1: D240.1 S240.1 | length 8.6
  Component Side w0.203: D240.1@-241.3,47.95 -241.3,49.275 cw(c-238.76,49.275) -238.76,51.815 S240.1@-235.487,51.815
NetD241_1: D241.1 S241.1 | length 9
  Component Side w0.203: S241.1@-248.862,53.065 -246.38,53.065 cw(c-246.38,50.525) -243.84,50.525 D241.1@-243.84,47.95
NetD242_1: D242.1 S242.1 | length 16.9
  Component Side w0.203: S242.1@-267.589,71.755 -256.921,71.755 cw(c-256.921,69.215) -254.381,69.215 D242.1@-254.381,67
NetD243_1: D243.1 S243.2 | length 42.1
  Component Side w0.203: D243.1@-43.688,28.9 -43.688,28.575 ccw(c-42.418,28.575) -42.418,27.305 -40.767,27.305 ccw(c-40.767,29.718) v2(-38.354,29.718)
  Bottom Layer w0.203: v2(-38.354,29.718) cw(c-38.354,30.391) -39.027,30.391 -39.027,33.401 -39.027,34.036 -39.027,34.67 cw(c-38.824,34.67) -38.948,34.832 ccw(c-41.212,37.79) -37.508,37.389 cw(c-37.306,37.368) -37.376,37.558 cw(c-36.487,35.179) -36.487,37.719 -20.446,37.719 cw(c-20.446,35.179) -17.906,35.179 S243.2@-17.906,34.015 S243.2@-14.681,32.765
NetD244_1: D244.1 S244.1 | length 8.6
  Component Side w0.203: D244.1@-41.275,28.9 -41.275,30.225 cw(c-38.735,30.225) -38.735,32.765 S244.1@-35.46,32.765
NetD245_1: D245.1 S245.1 | length 9.7
  Component Side w0.203: D245.1@-61.468,28.9 -61.468,30.225 cw(c-58.928,30.225) -58.928,32.765 S245.1@-54.512,32.765
NetD246_1: D246.1 S246.1 | length 9.9
  Component Side w0.203: D246.1@-80.645,28.9 -80.645,30.225 cw(c-78.105,30.225) -78.105,32.765 S246.1@-73.562,32.765
NetD247_1: D247.1 S247.1 | length 7.6
  Component Side w0.203: D247.1@-97.409,28.9 -97.409,30.225 cw(c-94.869,30.225) -94.869,32.765 S247.1@-92.612,32.765
NetD248_1: D248.1 S248.1 | length 10.8
  Component Side w0.203: S248.1@-106.012,34.015 cw(c-106.012,34.048) -106.045,34.048 -106.045,34.29 -102.362,34.29 cw(c-102.362,31.75) -99.822,31.75 D248.1@-99.822,28.9
NetD249_1: D249.1 S249.1 | length 9.7
  Component Side w0.203: D249.1@-137.668,28.9 -137.668,30.225 cw(c-135.128,30.225) -135.128,32.765 S249.1@-130.712,32.765
NetD250_1: D250.1 S250.1 | length 9.9
  Component Side w0.203: D250.1@-156.845,28.9 -156.845,30.225 cw(c-154.305,30.225) -154.305,32.765 S250.1@-149.762,32.765
NetD251_1: D251.1 S251.1 | length 9.9
  Component Side w0.203: D251.1@-175.895,28.9 -175.895,30.225 cw(c-173.355,30.225) -173.355,32.765 S251.1@-168.812,32.765
NetD252_1: D252.1 S252.1 | length 9.9
  Component Side w0.203: D252.1@-194.945,28.9 -194.945,30.225 cw(c-192.405,30.225) -192.405,32.765 S252.1@-187.862,32.765
NetD253_1: D253.1 S253.1 | length 9.9
  Component Side w0.203: D253.1@-213.995,28.9 -213.995,30.225 cw(c-211.455,30.225) -211.455,32.765 S253.1@-206.912,32.765
NetD254_1: D254.1 S254.1 | length 9.5
  Component Side w0.203: D254.1@-232.918,28.9 -232.918,30.225 cw(c-230.378,30.225) -230.378,32.765 S254.1@-226.612,32.765
  Component Side w0.254: S254.1@-226.272,33.075 S254.1@-226.002,33.345
NetD255_1: D255.1 S255.1 | length 6.6
  Component Side w0.203: S255.1@-272.7,34.015 -269.476,30.791 cw(c-271.272,28.995) -268.732,28.995 D255.1@-268.732,28.9
NetD256_1: D256.1 S256.2 | length 6.1
  Component Side w0.203: D256.1@-271.272,47.95 -271.272,51.482 cw(c-268.732,51.482) -270.528,53.278 S256.2@-270.111,53.695
NetD257_1: D257.1 S257.2 | length 31.8
  Component Side w0.203: D257.1@-47.498,9.85 -46.789,10.559 cw(c-44.993,8.763) -44.993,11.303 -20.527,11.303 ccw(c-20.527,13.843) -18.731,12.047 S257.2@-17.062,13.715